# KiCad board Capstone_Project_Mainboard.kicad_pcb (continued)
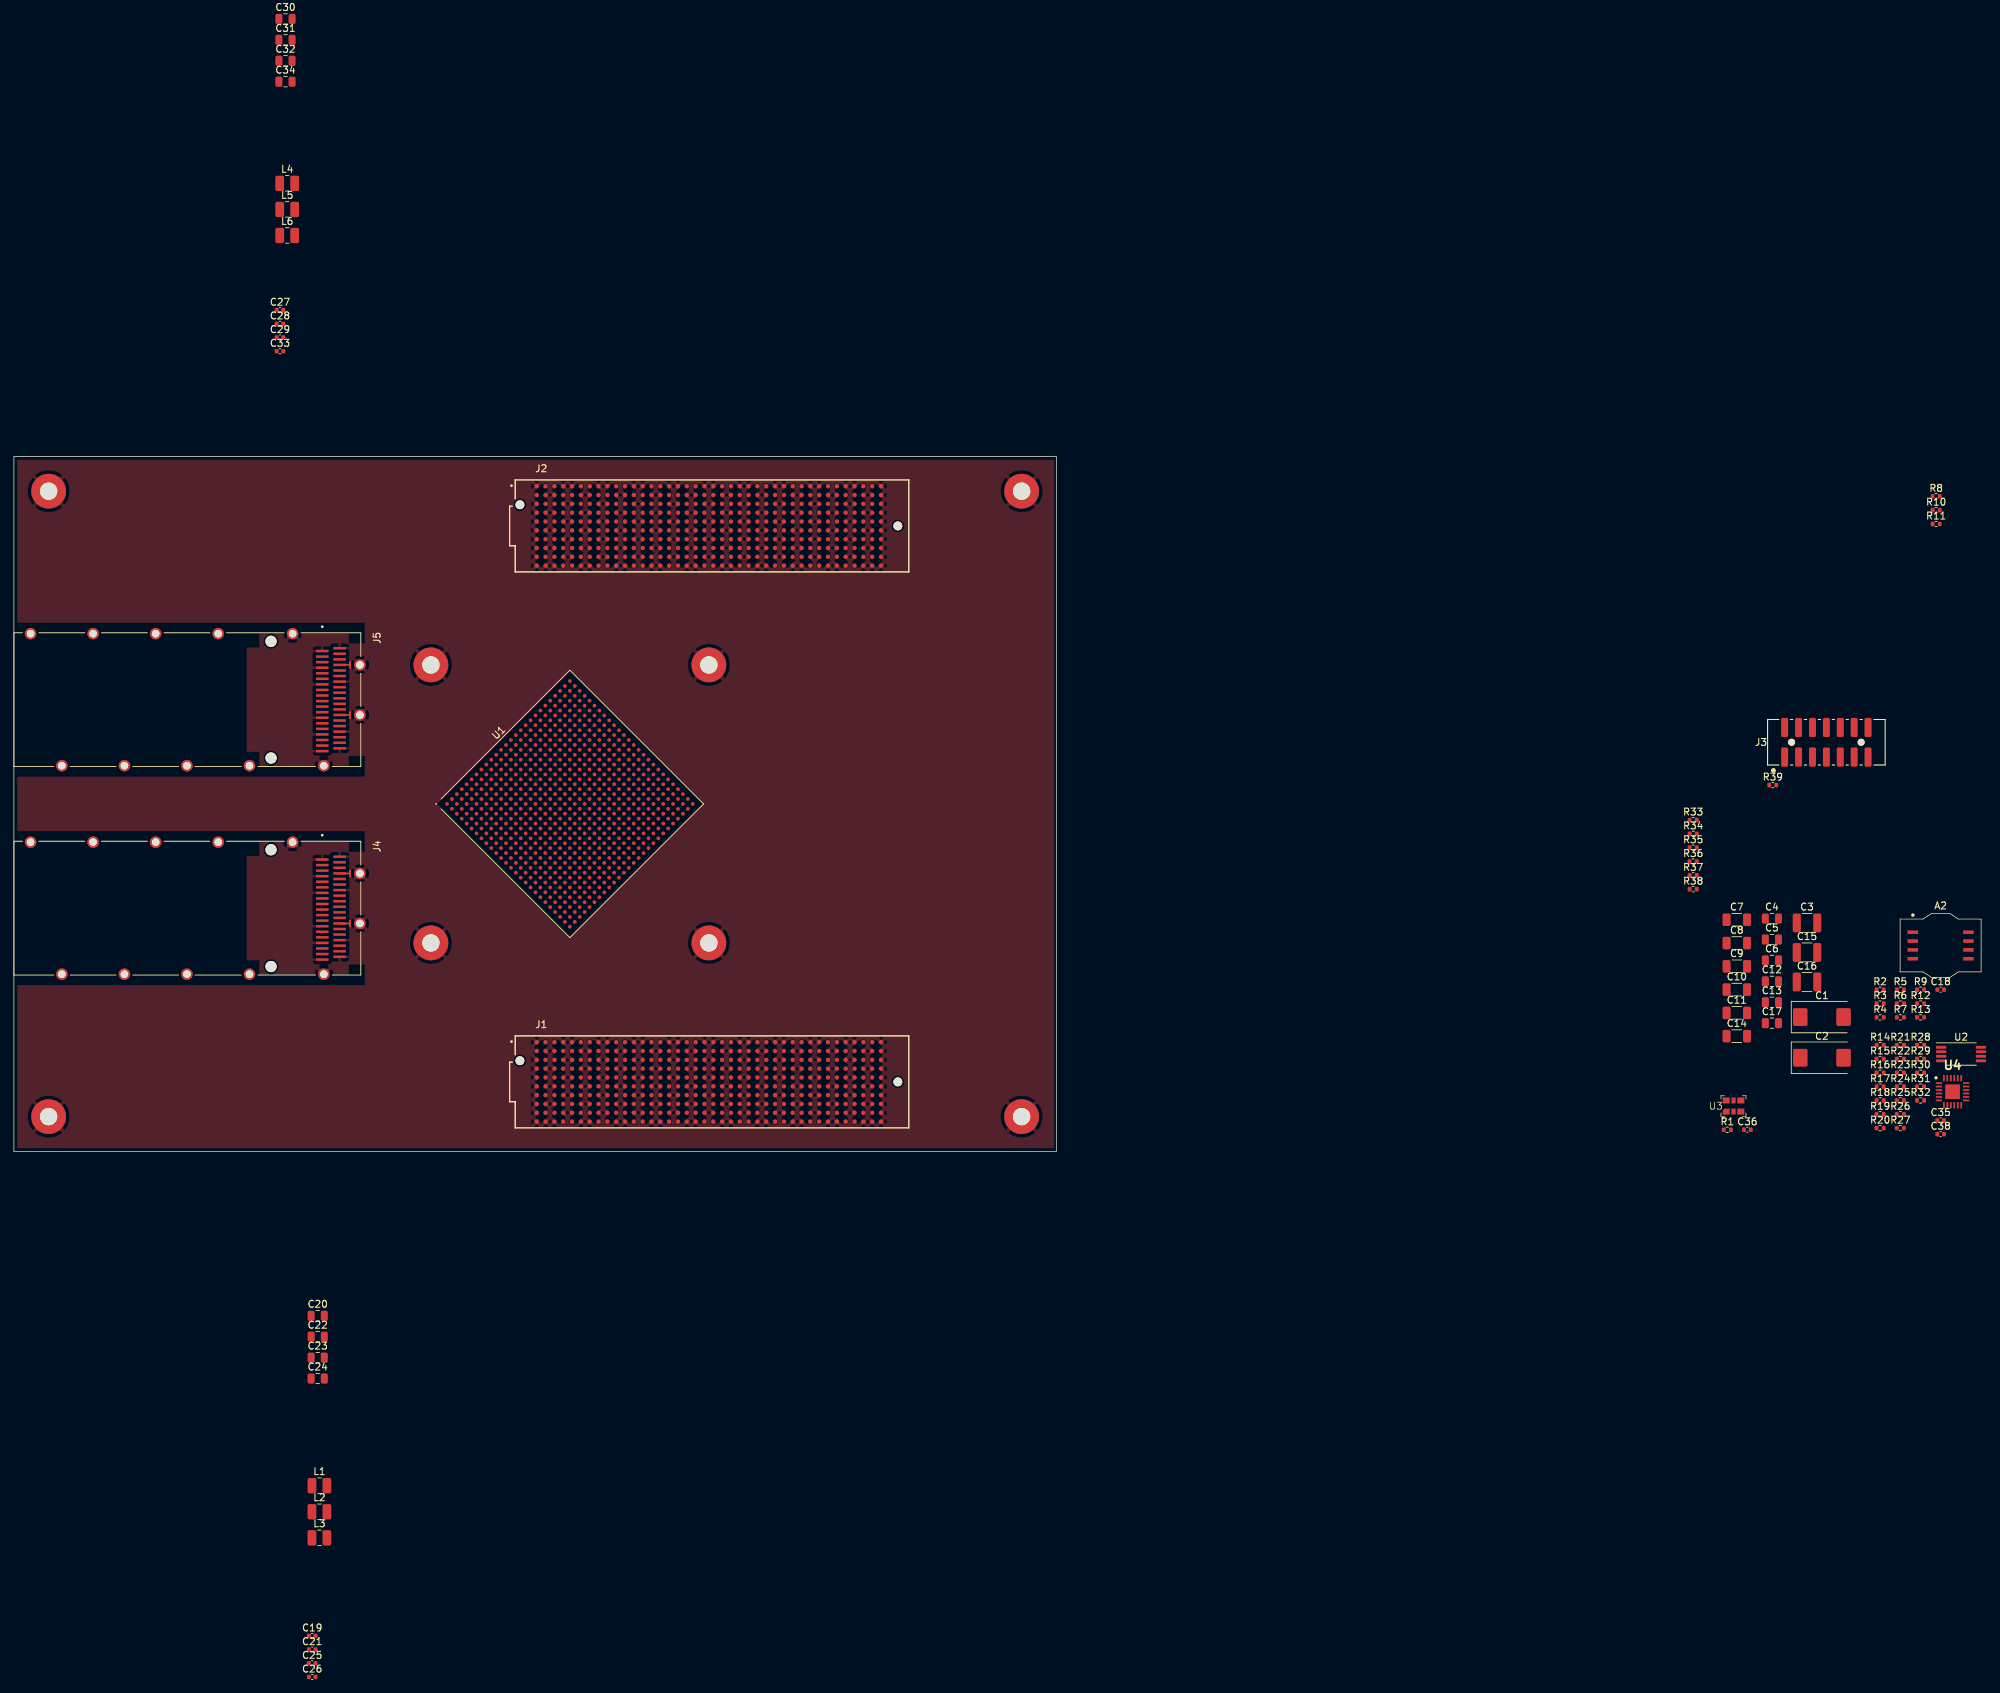
[diagram p0: board, top side]
## Footprints (pads in the part's own frame, mm; a bottom-side part is the same pattern mirrored in y, then rotated) (continued)
TSSOP-8_4.4x3mm_P0.65mm
  rrect 1.475x0.4 smd: 1(-2.862,0.975) 2(-2.862,0.325) 3(-2.862,-0.325) 4(-2.862,-0.975) 5(2.862,-0.975) 6(2.862,-0.325) 7(2.862,0.325) 8(2.862,0.975)
Xilinx_FFG676_K7_160T
  round 0.53 smd: A1(-12.5,12.5) A2(-11.5,12.5) A3(-10.5,12.5) A4(-9.5,12.5) A5(-8.5,12.5) A6(-7.5,12.5) A7(-6.5,12.5) A8(-5.5,12.5) A9(-4.5,12.5) A10(-3.5,12.5) A11(-2.5,12.5) A12(-1.5,12.5) A13(-0.5,12.5) A14(0.5,12.5) A15(1.5,12.5) A16(2.5,12.5) A17(3.5,12.5) A18(4.5,12.5) A19(5.5,12.5) A20(6.5,12.5) A21(7.5,12.5) A22(8.5,12.5) A23(9.5,12.5) A24(10.5,12.5) A25(11.5,12.5) A26(12.5,12.5) AA1(-12.5,-7.5) AA2(-11.5,-7.5) AA3(-10.5,-7.5) AA4(-9.5,-7.5) AA5(-8.5,-7.5) AA6(-7.5,-7.5) AA7(-6.5,-7.5) AA8(-5.5,-7.5) AA9(-4.5,-7.5) AA10(-3.5,-7.5) AA11(-2.5,-7.5) AA12(-1.5,-7.5) AA13(-0.5,-7.5) AA14(0.5,-7.5) AA15(1.5,-7.5) AA16(2.5,-7.5) AA17(3.5,-7.5) AA18(4.5,-7.5) AA19(5.5,-7.5) AA20(6.5,-7.5) AA21(7.5,-7.5) AA22(8.5,-7.5) AA23(9.5,-7.5) AA24(10.5,-7.5) AA25(11.5,-7.5) AA26(12.5,-7.5) AB1(-12.5,-8.5) AB2(-11.5,-8.5) AB3(-10.5,-8.5) AB4(-9.5,-8.5) AB5(-8.5,-8.5) AB6(-7.5,-8.5) AB7(-6.5,-8.5) AB8(-5.5,-8.5) AB9(-4.5,-8.5) AB10(-3.5,-8.5) AB11(-2.5,-8.5) AB12(-1.5,-8.5) AB13(-0.5,-8.5) AB14(0.5,-8.5) AB15(1.5,-8.5) AB16(2.5,-8.5) AB17(3.5,-8.5) AB18(4.5,-8.5) AB19(5.5,-8.5) AB20(6.5,-8.5) AB21(7.5,-8.5) AB22(8.5,-8.5) AB23(9.5,-8.5) AB24(10.5,-8.5) AB25(11.5,-8.5) AB26(12.5,-8.5) AC1(-12.5,-9.5) AC2(-11.5,-9.5) AC3(-10.5,-9.5) AC4(-9.5,-9.5) AC5(-8.5,-9.5) AC6(-7.5,-9.5) AC7(-6.5,-9.5) AC8(-5.5,-9.5) AC9(-4.5,-9.5) AC10(-3.5,-9.5) AC11(-2.5,-9.5) AC12(-1.5,-9.5) AC13(-0.5,-9.5) AC14(0.5,-9.5) AC15(1.5,-9.5) AC16(2.5,-9.5) AC17(3.5,-9.5) AC18(4.5,-9.5) AC19(5.5,-9.5) AC20(6.5,-9.5) AC21(7.5,-9.5) AC22(8.5,-9.5) AC23(9.5,-9.5) AC24(10.5,-9.5) AC25(11.5,-9.5) AC26(12.5,-9.5) AD1(-12.5,-10.5) AD2(-11.5,-10.5) AD3(-10.5,-10.5) AD4(-9.5,-10.5) AD5(-8.5,-10.5) AD6(-7.5,-10.5) AD7(-6.5,-10.5) AD8(-5.5,-10.5) AD9(-4.5,-10.5) AD10(-3.5,-10.5) AD11(-2.5,-10.5) AD12(-1.5,-10.5) AD13(-0.5,-10.5) AD14(0.5,-10.5) AD15(1.5,-10.5) AD16(2.5,-10.5) AD17(3.5,-10.5) AD18(4.5,-10.5) AD19(5.5,-10.5) AD20(6.5,-10.5) AD21(7.5,-10.5) AD22(8.5,-10.5) AD23(9.5,-10.5) AD24(10.5,-10.5) AD25(11.5,-10.5) AD26(12.5,-10.5) AE1(-12.5,-11.5) AE2(-11.5,-11.5) AE3(-10.5,-11.5) AE4(-9.5,-11.5) AE5(-8.5,-11.5) AE6(-7.5,-11.5) AE7(-6.5,-11.5) AE8(-5.5,-11.5) AE9(-4.5,-11.5) AE10(-3.5,-11.5) AE11(-2.5,-11.5) AE12(-1.5,-11.5) AE13(-0.5,-11.5) AE14(0.5,-11.5) AE15(1.5,-11.5) AE16(2.5,-11.5) AE17(3.5,-11.5) AE18(4.5,-11.5) AE19(5.5,-11.5) AE20(6.5,-11.5) AE21(7.5,-11.5) AE22(8.5,-11.5) AE23(9.5,-11.5) AE24(10.5,-11.5) AE25(11.5,-11.5) AE26(12.5,-11.5) AF1(-12.5,-12.5) AF2(-11.5,-12.5) AF3(-10.5,-12.5) AF4(-9.5,-12.5) AF5(-8.5,-12.5) AF6(-7.5,-12.5) AF7(-6.5,-12.5) AF8(-5.5,-12.5) AF9(-4.5,-12.5) AF10(-3.5,-12.5) AF11(-2.5,-12.5) AF12(-1.5,-12.5) AF13(-0.5,-12.5) AF14(0.5,-12.5) AF15(1.5,-12.5) AF16(2.5,-12.5) AF17(3.5,-12.5) AF18(4.5,-12.5) AF19(5.5,-12.5) AF20(6.5,-12.5) AF21(7.5,-12.5) AF22(8.5,-12.5) AF23(9.5,-12.5) AF24(10.5,-12.5) AF25(11.5,-12.5) AF26(12.5,-12.5) B1(-12.5,11.5) B2(-11.5,11.5) B3(-10.5,11.5) B4(-9.5,11.5) B5(-8.5,11.5) B6(-7.5,11.5) B7(-6.5,11.5) B8(-5.5,11.5) B9(-4.5,11.5) B10(-3.5,11.5) B11(-2.5,11.5) B12(-1.5,11.5) B13(-0.5,11.5) B14(0.5,11.5) B15(1.5,11.5) B16(2.5,11.5) B17(3.5,11.5) B18(4.5,11.5) B19(5.5,11.5) B20(6.5,11.5) B21(7.5,11.5) B22(8.5,11.5) B23(9.5,11.5) B24(10.5,11.5) B25(11.5,11.5) B26(12.5,11.5) C1(-12.5,10.5) C2(-11.5,10.5) C3(-10.5,10.5) C4(-9.5,10.5) C5(-8.5,10.5) C6(-7.5,10.5) C7(-6.5,10.5) C8(-5.5,10.5) C9(-4.5,10.5) C10(-3.5,10.5) C11(-2.5,10.5) C12(-1.5,10.5) C13(-0.5,10.5) C14(0.5,10.5) C15(1.5,10.5) C16(2.5,10.5) C17(3.5,10.5) C18(4.5,10.5) C19(5.5,10.5) C20(6.5,10.5) C21(7.5,10.5) C22(8.5,10.5) C23(9.5,10.5) C24(10.5,10.5) C25(11.5,10.5) C26(12.5,10.5) D1(-12.5,9.5) D2(-11.5,9.5) D3(-10.5,9.5) D4(-9.5,9.5) D5(-8.5,9.5) D6(-7.5,9.5) D7(-6.5,9.5) D8(-5.5,9.5) D9(-4.5,9.5) D10(-3.5,9.5) D11(-2.5,9.5) D12(-1.5,9.5) D13(-0.5,9.5) D14(0.5,9.5) D15(1.5,9.5) D16(2.5,9.5) D17(3.5,9.5) D18(4.5,9.5) D19(5.5,9.5) D20(6.5,9.5) D21(7.5,9.5) D22(8.5,9.5) D23(9.5,9.5) D24(10.5,9.5) D25(11.5,9.5) D26(12.5,9.5) E1(-12.5,8.5) E2(-11.5,8.5) E3(-10.5,8.5) E4(-9.5,8.5) E5(-8.5,8.5) E6(-7.5,8.5) E7(-6.5,8.5) E8(-5.5,8.5) E9(-4.5,8.5) E10(-3.5,8.5) E11(-2.5,8.5) E12(-1.5,8.5) E13(-0.5,8.5) E14(0.5,8.5) E15(1.5,8.5) E16(2.5,8.5) E17(3.5,8.5) E18(4.5,8.5) E19(5.5,8.5) E20(6.5,8.5) E21(7.5,8.5) E22(8.5,8.5) E23(9.5,8.5) E24(10.5,8.5) E25(11.5,8.5) E26(12.5,8.5) F1(-12.5,7.5) F2(-11.5,7.5) F3(-10.5,7.5) F4(-9.5,7.5) F5(-8.5,7.5) F6(-7.5,7.5) F7(-6.5,7.5) F8(-5.5,7.5) F9(-4.5,7.5) F10(-3.5,7.5) F11(-2.5,7.5) F12(-1.5,7.5) F13(-0.5,7.5) F14(0.5,7.5) F15(1.5,7.5) F16(2.5,7.5) F17(3.5,7.5) F18(4.5,7.5) F19(5.5,7.5) F20(6.5,7.5) F21(7.5,7.5) F22(8.5,7.5) F23(9.5,7.5) F24(10.5,7.5) F25(11.5,7.5) F26(12.5,7.5) G1(-12.5,6.5) G2(-11.5,6.5) G3(-10.5,6.5) G4(-9.5,6.5) G5(-8.5,6.5) G6(-7.5,6.5) G7(-6.5,6.5) G8(-5.5,6.5) G9(-4.5,6.5) G10(-3.5,6.5) G11(-2.5,6.5) G12(-1.5,6.5) G13(-0.5,6.5) G14(0.5,6.5) G15(1.5,6.5) G16(2.5,6.5) G17(3.5,6.5) G18(4.5,6.5) G19(5.5,6.5) G20(6.5,6.5) G21(7.5,6.5) G22(8.5,6.5) G23(9.5,6.5) G24(10.5,6.5) G25(11.5,6.5) G26(12.5,6.5) H1(-12.5,5.5) H2(-11.5,5.5) H3(-10.5,5.5) H4(-9.5,5.5) H5(-8.5,5.5) H6(-7.5,5.5) H7(-6.5,5.5) H8(-5.5,5.5) H9(-4.5,5.5) H10(-3.5,5.5) H11(-2.5,5.5) H12(-1.5,5.5) H13(-0.5,5.5) H14(0.5,5.5) H15(1.5,5.5) H16(2.5,5.5) H17(3.5,5.5) H18(4.5,5.5) H19(5.5,5.5) H20(6.5,5.5) H21(7.5,5.5) H22(8.5,5.5) H23(9.5,5.5) H24(10.5,5.5) H25(11.5,5.5) H26(12.5,5.5) J1(-12.5,4.5) J2(-11.5,4.5) J3(-10.5,4.5) J4(-9.5,4.5) J5(-8.5,4.5) J6(-7.5,4.5) J7(-6.5,4.5) J8(-5.5,4.5) J9(-4.5,4.5) J10(-3.5,4.5) J11(-2.5,4.5) J12(-1.5,4.5) J13(-0.5,4.5) J14(0.5,4.5) J15(1.5,4.5) J16(2.5,4.5) J17(3.5,4.5) J18(4.5,4.5) J19(5.5,4.5) J20(6.5,4.5) J21(7.5,4.5) J22(8.5,4.5) J23(9.5,4.5) J24(10.5,4.5) J25(11.5,4.5) J26(12.5,4.5) K1(-12.5,3.5) K2(-11.5,3.5) K3(-10.5,3.5) K4(-9.5,3.5) K5(-8.5,3.5) K6(-7.5,3.5) K7(-6.5,3.5) K8(-5.5,3.5) K9(-4.5,3.5) K10(-3.5,3.5) K11(-2.5,3.5) K12(-1.5,3.5) K13(-0.5,3.5) K14(0.5,3.5) K15(1.5,3.5) K16(2.5,3.5) K17(3.5,3.5) K18(4.5,3.5) K19(5.5,3.5) K20(6.5,3.5) K21(7.5,3.5) K22(8.5,3.5) K23(9.5,3.5) K24(10.5,3.5) K25(11.5,3.5) K26(12.5,3.5) L1(-12.5,2.5) L2(-11.5,2.5) L3(-10.5,2.5) L4(-9.5,2.5) L5(-8.5,2.5) L6(-7.5,2.5) L7(-6.5,2.5) L8(-5.5,2.5) L9(-4.5,2.5) L10(-3.5,2.5) L11(-2.5,2.5) L12(-1.5,2.5) L13(-0.5,2.5) L14(0.5,2.5) L15(1.5,2.5) L16(2.5,2.5) L17(3.5,2.5) L18(4.5,2.5) L19(5.5,2.5) L20(6.5,2.5) L21(7.5,2.5) L22(8.5,2.5) L23(9.5,2.5) L24(10.5,2.5) L25(11.5,2.5) L26(12.5,2.5) M1(-12.5,1.5) M2(-11.5,1.5) M3(-10.5,1.5) M4(-9.5,1.5) M5(-8.5,1.5) M6(-7.5,1.5) M7(-6.5,1.5) M8(-5.5,1.5) M9(-4.5,1.5) M10(-3.5,1.5) M11(-2.5,1.5) M12(-1.5,1.5) M13(-0.5,1.5) M14(0.5,1.5) M15(1.5,1.5) M16(2.5,1.5) M17(3.5,1.5) M18(4.5,1.5) M19(5.5,1.5) M20(6.5,1.5) M21(7.5,1.5) M22(8.5,1.5) M23(9.5,1.5) M24(10.5,1.5) M25(11.5,1.5) M26(12.5,1.5) N1(-12.5,0.5) N2(-11.5,0.5) N3(-10.5,0.5) N4(-9.5,0.5) N5(-8.5,0.5) N6(-7.5,0.5) N7(-6.5,0.5) N8(-5.5,0.5) N9(-4.5,0.5) N10(-3.5,0.5) N11(-2.5,0.5) N12(-1.5,0.5) N13(-0.5,0.5) N14(0.5,0.5) N15(1.5,0.5) N16(2.5,0.5) N17(3.5,0.5) N18(4.5,0.5) N19(5.5,0.5) N20(6.5,0.5) N21(7.5,0.5) N22(8.5,0.5) N23(9.5,0.5) N24(10.5,0.5) N25(11.5,0.5) N26(12.5,0.5) P1(-12.5,-0.5) P2(-11.5,-0.5) P3(-10.5,-0.5) P4(-9.5,-0.5) P5(-8.5,-0.5) P6(-7.5,-0.5) P7(-6.5,-0.5) P8(-5.5,-0.5) P9(-4.5,-0.5) P10(-3.5,-0.5) P11(-2.5,-0.5) P12(-1.5,-0.5) P13(-0.5,-0.5) P14(0.5,-0.5) P15(1.5,-0.5) P16(2.5,-0.5) P17(3.5,-0.5) P18(4.5,-0.5) P19(5.5,-0.5) P20(6.5,-0.5) P21(7.5,-0.5) P22(8.5,-0.5) P23(9.5,-0.5) P24(10.5,-0.5) P25(11.5,-0.5) P26(12.5,-0.5) R1(-12.5,-1.5) R2(-11.5,-1.5) R3(-10.5,-1.5) R4(-9.5,-1.5) R5(-8.5,-1.5) R6(-7.5,-1.5) R7(-6.5,-1.5) R8(-5.5,-1.5) R9(-4.5,-1.5) R10(-3.5,-1.5) R11(-2.5,-1.5) R12(-1.5,-1.5) R13(-0.5,-1.5) R14(0.5,-1.5) R15(1.5,-1.5) R16(2.5,-1.5) R17(3.5,-1.5) R18(4.5,-1.5) R19(5.5,-1.5) R20(6.5,-1.5) R21(7.5,-1.5) R22(8.5,-1.5) R23(9.5,-1.5) R24(10.5,-1.5) R25(11.5,-1.5) R26(12.5,-1.5) T1(-12.5,-2.5) T2(-11.5,-2.5) T3(-10.5,-2.5) T4(-9.5,-2.5) T5(-8.5,-2.5) T6(-7.5,-2.5) T7(-6.5,-2.5) T8(-5.5,-2.5) T9(-4.5,-2.5) T10(-3.5,-2.5) T11(-2.5,-2.5) T12(-1.5,-2.5) T13(-0.5,-2.5) T14(0.5,-2.5) T15(1.5,-2.5) T16(2.5,-2.5) T17(3.5,-2.5) T18(4.5,-2.5) T19(5.5,-2.5) T20(6.5,-2.5) T21(7.5,-2.5) T22(8.5,-2.5) T23(9.5,-2.5) T24(10.5,-2.5) T25(11.5,-2.5) T26(12.5,-2.5) U1(-12.5,-3.5) U2(-11.5,-3.5) U3(-10.5,-3.5) U4(-9.5,-3.5) U5(-8.5,-3.5) U6(-7.5,-3.5) U7(-6.5,-3.5) U8(-5.5,-3.5) U9(-4.5,-3.5) U10(-3.5,-3.5) U11(-2.5,-3.5) U12(-1.5,-3.5) U13(-0.5,-3.5) U14(0.5,-3.5) U15(1.5,-3.5) U16(2.5,-3.5) U17(3.5,-3.5) U18(4.5,-3.5) U19(5.5,-3.5) U20(6.5,-3.5) U21(7.5,-3.5) U22(8.5,-3.5) U23(9.5,-3.5) U24(10.5,-3.5) U25(11.5,-3.5) U26(12.5,-3.5) V1(-12.5,-4.5) V2(-11.5,-4.5) V3(-10.5,-4.5) V4(-9.5,-4.5) V5(-8.5,-4.5) V6(-7.5,-4.5) V7(-6.5,-4.5) V8(-5.5,-4.5) V9(-4.5,-4.5) V10(-3.5,-4.5) V11(-2.5,-4.5) V12(-1.5,-4.5) V13(-0.5,-4.5) V14(0.5,-4.5) V15(1.5,-4.5) V16(2.5,-4.5) V17(3.5,-4.5) V18(4.5,-4.5) V19(5.5,-4.5) V20(6.5,-4.5) V21(7.5,-4.5) V22(8.5,-4.5) V23(9.5,-4.5) V24(10.5,-4.5) V25(11.5,-4.5) V26(12.5,-4.5) W1(-12.5,-5.5) W2(-11.5,-5.5) W3(-10.5,-5.5) W4(-9.5,-5.5) W5(-8.5,-5.5) W6(-7.5,-5.5) W7(-6.5,-5.5) W8(-5.5,-5.5) W9(-4.5,-5.5) W10(-3.5,-5.5) W11(-2.5,-5.5) W12(-1.5,-5.5) W13(-0.5,-5.5) W14(0.5,-5.5) W15(1.5,-5.5) W16(2.5,-5.5) W17(3.5,-5.5) W18(4.5,-5.5) W19(5.5,-5.5) W20(6.5,-5.5) W21(7.5,-5.5) W22(8.5,-5.5) W23(9.5,-5.5) W24(10.5,-5.5) W25(11.5,-5.5) W26(12.5,-5.5) Y1(-12.5,-6.5) Y2(-11.5,-6.5) Y3(-10.5,-6.5) Y4(-9.5,-6.5) Y5(-8.5,-6.5) Y6(-7.5,-6.5) Y7(-6.5,-6.5) Y8(-5.5,-6.5) Y9(-4.5,-6.5) Y10(-3.5,-6.5) Y11(-2.5,-6.5) Y12(-1.5,-6.5) Y13(-0.5,-6.5) Y14(0.5,-6.5) Y15(1.5,-6.5) Y16(2.5,-6.5) Y17(3.5,-6.5) Y18(4.5,-6.5) Y19(5.5,-6.5) Y20(6.5,-6.5) Y21(7.5,-6.5) Y22(8.5,-6.5) Y23(9.5,-6.5) Y24(10.5,-6.5) Y25(11.5,-6.5) Y26(12.5,-6.5)

## Nets
1V0: C1.1 C2.1 C3.1 C4.1 C5.1 C6.1 C12.1 U1.C6 U1.E6 U1.G6 U1.J6 U1.J9 U1.K8 U1.K10 U1.K12 U1.K14 U1.L6 U1.L9 U1.L13 U1.L15 U1.M8 U1.M14 U1.N9 U1.N13 U1.N15 U1.P14 U1.R13 U1.R15 U1.T12 U1.T14 U1.U13 U1.U15
1V2: C13.1 R1.2 U1.B3 U1.C2 U1.D3 U1.G2 U1.H3 U1.L2 U1.M3 U1.M5
1V8: C7.1 C8.1 C10.1 C14.1 C15.1 C16.1 C17.1 J1.K28 J1.K29 J1.K32 J1.K33 J1.K36 J1.K37 J2.K28 J2.K29 J2.K32 J2.K33 J2.K36 J2.K37 U1.A11 U1.AA1 U1.AA11 U1.AA21 U1.AB8 U1.AB18 U1.AC5 U1.AC15 U1.AC25 U1.AD2 U1.AD12 U1.AD22 U1.AE9 U1.AE19 U1.AF6 U1.AF16 U1.AF26 U1.B8 U1.B18 U1.C15 U1.D12 U1.E9 U1.E19 U1.F16 U1.G13 U1.H10 U1.H20 U1.J17 U1.K24 U1.L11 U1.M10 U1.M12 U1.M18 U1.N6 U1.N25 U1.P8 U1.P10 U1.P22 U1.R9 U1.R19 U1.T8 U1.T10 U1.T16 U1.T26 U1.U3 U1.U11 U1.U23 U1.V10 U1.V20 U1.W7 U1.W17 U1.Y4 U1.Y14 U1.Y24
1V25REF: U1.P12
3V3: A2.8 C9.1 C11.1 C18.1 C20.1 C21.1 C33.1 C34.1 C35.1 C36.1 C38.1 J1.K4 J1.K5 J1.K8 J1.K9 J1.K12 J1.K13 J1.K16 J1.K17 J1.K20 J1.K21 J1.K24 J1.K25 J2.K4 J2.K5 J2.K8 J2.K9 J2.K12 J2.K13 J2.K16 J2.K17 J2.K20 J2.K21 J2.K24 J2.K25 J3.2 L1.2 L2.2 L3.2 L4.2 L5.2 L6.2 R6.1 R7.1 R8.1 R9.1 R10.1 R11.1 R12.1 R13.1 R14.1 R15.1 R16.1 R17.1 R18.1 R19.1 R20.1 R21.1 R22.1 R23.1 R24.1 R25.1 R26.1 R27.1 R28.1 R29.1 R30.1 R31.1 R32.1 R33.1 R34.1 R35.1 R36.1 R37.1 R38.1 U1.A21 U1.C25 U1.D22 U1.F26 U1.G23 U1.L7 U1.L21 U1.P7 U1.T5 U1.T6 U2.3 U2.8 U3.1 U3.6 U4.21
3V3AUX: J1.A11 J2.A11
/QSFP+/Vcc1_A: C22.1 C25.1 J4.30 L1.1
/QSFP+/Vcc1_B: C28.1 C31.1 J5.30 L5.1
/QSFP+/VccRx_A: C19.1 C24.1 J4.10 L3.1
/QSFP+/VccRx_B: C29.1 C32.1 J5.10 L6.1
/QSFP+/VccTx_A: C23.1 C26.1 J4.29 L2.1
/QSFP+/VccTx_B: C27.1 C30.1 J5.29 L4.1
GND: A2.4 C1.2 C2.2 C3.2 C4.2 C5.2 C6.2 C7.2 C8.2 C9.2 C10.2 C11.2 C12.2 C13.2 C14.2 C15.2 C16.2 C17.2 C18.2 C19.2 C20.2 C21.2 C22.2 C23.2 C24.2 C25.2 C26.2 C27.2 C28.2 C29.2 C30.2 C31.2 C32.2 C33.2 C34.2 C35.2 C36.2 C38.2 H1.1 H2.1 H3.1 H4.1 H5.1 H6.1 H7.1 H8.1 J1.A1 J1.A4 J1.A5 J1.A8 J1.A9 J1.A12 J1.A13 J1.A16 J1.A17 J1.A20 J1.A21 J1.A24 J1.A25 J1.A28 J1.A29 J1.A32 J1.A33 J1.A36 J1.A37 J1.A40 J1.B2 J1.B3 J1.B6 J1.B7 J1.B10 J1.B11 J1.B14 J1.B15 J1.B18 J1.B19 J1.B22 J1.B23 J1.B26 J1.B27 J1.B30 J1.B31 J1.B34 J1.B35 J1.B38 J1.B39 J1.B40 J1.C1 J1.C4 J1.C5 J1.C8 J1.C9 J1.C12 J1.C13 J1.C16 J1.C17 J1.C20 J1.C21 J1.C24 J1.C25 J1.C28 J1.C29 J1.C32 J1.C33 J1.C36 J1.C37 J1.C40 J1.D1 J1.D2 J1.D3 J1.D6 J1.D7 J1.D10 J1.D11 J1.D14 J1.D15 J1.D18 J1.D19 J1.D22 J1.D23 J1.D26 J1.D27 J1.D30 J1.D31 J1.D34 J1.D35 J1.D38 J1.D39 J1.D40 J1.E1 J1.E4 J1.E5 J1.E8 J1.E9 J1.E12 J1.E13 J1.E16 J1.E17 J1.E20 J1.E21 J1.E24 J1.E25 J1.E28 J1.E29 J1.E32 J1.E33 J1.E36 J1.E37 J1.E40 J1.F1 J1.F2 J1.F3 J1.F6 J1.F7 J1.F10 J1.F11 J1.F14 J1.F15 J1.F18 J1.F19 J1.F22 J1.F23 J1.F26 J1.F27 J1.F30 J1.F31 J1.F34 J1.F35 J1.F38 J1.F39 J1.F40 J1.G1 J1.G4 J1.G5 J1.G8 J1.G9 J1.G12 J1.G13 J1.G16 J1.G17 J1.G20 J1.G21 J1.G24 J1.G25 J1.G28 J1.G29 J1.G32 J1.G33 J1.G36 J1.G37 J1.G40 J1.H1 J1.H2 J1.H3 J1.H6 J1.H7 J1.H10 J1.H11 J1.H14 J1.H15 J1.H18 J1.H19 J1.H22 J1.H23 J1.H26 J1.H27 J1.H30 J1.H31 J1.H34 J1.H35 J1.H38 J1.H39 J1.H40 J1.J1 J1.J4 J1.J5 J1.J8 J1.J9 J1.J12 J1.J13 J1.J16 J1.J17 J1.J20 J1.J21 J1.J24 J1.J25 J1.J28 J1.J29 J1.J32 J1.J33 J1.J36 J1.J37 J1.J40 J1.K1 J1.K2 J1.K3 J1.K6 J1.K7 J1.K10 J1.K11 J1.K14 J1.K15 J1.K18 J1.K19 J1.K22 J1.K23 J1.K26 J1.K27 J1.K30 J1.K31 J1.K34 J1.K35 J1.K38 J1.K39 J1.K40 J2.A1 J2.A4 J2.A5 J2.A8 J2.A9 J2.A12 J2.A13 J2.A16 J2.A17 J2.A20 J2.A21 J2.A24 J2.A25 J2.A28 J2.A29 J2.A32 J2.A33 J2.A36 J2.A37 J2.A40 J2.B2 J2.B3 J2.B6 J2.B7 J2.B10 J2.B11 J2.B14 J2.B15 J2.B18 J2.B19 J2.B22 J2.B23 J2.B26 J2.B27 J2.B30 J2.B31 J2.B34 J2.B35 J2.B38 J2.B39 J2.B40 J2.C1 J2.C4 J2.C5 J2.C8 J2.C9 J2.C12 J2.C13 J2.C16 J2.C17 J2.C20 J2.C21 J2.C24 J2.C25 J2.C28 J2.C29 J2.C32 J2.C33 J2.C36 J2.C37 J2.C40 J2.D1 J2.D2 J2.D3 J2.D6 J2.D7 J2.D10 J2.D11 J2.D14 J2.D15 J2.D18 J2.D19 J2.D22 J2.D23 J2.D26 J2.D27 J2.D30 J2.D31 J2.D34 J2.D35 J2.D38 J2.D39 J2.D40 J2.E1 J2.E4 J2.E5 J2.E8 J2.E9 J2.E12 J2.E13 J2.E16 J2.E17 J2.E20 J2.E21 J2.E24 J2.E25 J2.E28 J2.E29 J2.E32 J2.E33 J2.E36 J2.E37 J2.E40 J2.F1 J2.F2 J2.F3 J2.F6 J2.F7 J2.F10 J2.F11 J2.F14 J2.F15 J2.F18 J2.F19 J2.F22 J2.F23 J2.F26 J2.F27 J2.F30 J2.F31 J2.F34 J2.F35 J2.F38 J2.F39 J2.F40 J2.G1 J2.G4 J2.G5 J2.G8 J2.G9 J2.G12 J2.G13 J2.G16 J2.G17 J2.G20 J2.G21 J2.G24 J2.G25 J2.G28 J2.G29 J2.G32 J2.G33 J2.G36 J2.G37 J2.G40 J2.H1 J2.H2 J2.H3 J2.H6 J2.H7 J2.H10 J2.H11 J2.H14 J2.H15 J2.H18 J2.H19 J2.H22 J2.H23 J2.H26 J2.H27 J2.H30 J2.H31 J2.H34 J2.H35 J2.H38 J2.H39 J2.H40 J2.J1 J2.J4 J2.J5 J2.J8 J2.J9 J2.J12 J2.J13 J2.J16 J2.J17 J2.J20 J2.J21 J2.J24 J2.J25 J2.J28 J2.J29 J2.J32 J2.J33 J2.J36 J2.J37 J2.J40 J2.K1 J2.K2 J2.K3 J2.K6 J2.K7 J2.K10 J2.K11 J2.K14 J2.K15 J2.K18 J2.K19 J2.K22 J2.K23 J2.K26 J2.K27 J2.K30 J2.K31 J2.K34 J2.K35 J2.K38 J2.K39 J2.K40 J3.1 J3.3 J3.5 J3.7 J3.9 J3.11 J3.13 J4.1 J4.4 J4.7 J4.13 J4.16 J4.19 J4.20 J4.23 J4.26 J4.32 J4.35 J4.38 J4.G1 J4.G2 J4.G3 J4.G4 J4.G5 J4.G6 J4.G7 J4.G8 J4.G9 J4.G10 J4.G11 J4.G12 J5.1 J5.4 J5.7 J5.13 J5.16 J5.19 J5.20 J5.23 J5.26 J5.32 J5.35 J5.38 J5.G1 J5.G2 J5.G3 J5.G4 J5.G5 J5.G6 J5.G7 J5.G8 J5.G9 J5.G10 J5.G11 J5.G12 R39.2 U1.A1 U1.A2 U1.A5 U1.A6 U1.A7 U1.A16 U1.A26 U1.AA6 U1.AA16 U1.AA26 U1.AB3 U1.AB13 U1.AB23 U1.AC10 U1.AC20 U1.AD7 U1.AD17 U1.AE4 U1.AE14 U1.AE24 U1.AF1 U1.AF11 U1.AF21 U1.B4 U1.B7 U1.B13 U1.B23 U1.C1 U1.C5 U1.C7 U1.C10 U1.C20 U1.D4 U1.D7 U1.D17 U1.E1 U1.E2 U1.E5 U1.E7 U1.E8 U1.E14 U1.E24 U1.F3 U1.F4 U1.F7 U1.F11 U1.F21 U1.G1 U1.G5 U1.G8 U1.G18 U1.H4 U1.H7 U1.H15 U1.H25 U1.J1 U1.J2 U1.J5 U1.J12 U1.J22 U1.K3 U1.K4 U1.K7 U1.K9 U1.K11 U1.K13 U1.K19 U1.L1 U1.L5 U1.L10 U1.L12 U1.L14 U1.L16 U1.L26 U1.M4 U1.M7 U1.M9 U1.M11 U1.M13 U1.M15 U1.M23 U1.N1 U1.N2 U1.N5 U1.N7 U1.N10 U1.N11 U1.N14 U1.N20 U1.P3 U1.P4 U1.P5 U1.P9 U1.P13 U1.P15 U1.P17 U1.R1 U1.R2 U1.R5 U1.R8 U1.R10 U1.R14 U1.R24 U1.T1 U1.T2 U1.T3 U1.T4 U1.T9 U1.T11 U1.T13 U1.T15 U1.T21 U1.U8 U1.U10 U1.U12 U1.U14 U1.U18 U1.V5 U1.V15 U1.V25 U1.W2 U1.W12 U1.W22 U1.Y9 U1.Y19 U2.4 U2.7 U3.3 U4.9 U4.18 U4.22 U4.23 U4.25
/FPGA/FPGA Banks 115, 116/FPGA_GTX_CLK_N: U1.H5 U3.5
/FPGA/FPGA Banks 115, 116/FPGA_GTX_CLK_P: U1.H6 U3.4
/I2C EEPROM & Switch/EEPROM_I2C_SCL: R26.2 U2.6 U4.11
/I2C EEPROM & Switch/EEPROM_I2C_SDA: R25.2 U2.5 U4.10
B13_GP00: U1.N16
B13_GP25: U1.U16
B13_L01_N: J2.J3 U1.K26
B13_L01_P: J2.J2 U1.K25
B13_L02_N: J2.J7 U1.P26
B13_L02_P: J2.J6 U1.R26
B13_L03_N: J2.J11 U1.L25
B13_L03_P: J2.J10 U1.M25
B13_L04_N: J2.J15 U1.N24
B13_L04_P: J2.J14 U1.P24
B13_L05_N: J2.J19 U1.M26
B13_L05_P: J2.J18 U1.N26
B13_L06_N: J2.J23 U1.P25
B13_L06_P: J2.J22 U1.R25
B13_L07_N: J2.J27 U1.M20
B13_L07_P: J2.J26 U1.N19
B13_L08_N: J2.J31 U1.L24
B13_L08_P: J2.J30 U1.M24
B13_L09_N: J2.J35 U1.P20
B13_L09_P: J2.J34 U1.P19
B13_L10_N: J2.J39 U1.M22
B13_L10_P: J2.J38 U1.M21
B13_L11_N: J2.H5 U1.N23
B13_L11_P: J2.H4 U1.P23
B13_L12_N: J2.H9 U1.N22
B13_L12_P: J2.H8 U1.N21
B13_L13_N: J2.H13 U1.P21
B13_L13_P: J2.H12 U1.R21
B13_L14_N: J2.H17 U1.R23
B13_L14_P: J2.H16 U1.R22
B13_L15_N: J2.H21 U1.T25
B13_L15_P: J2.H20 U1.T24
B13_L16_N: J2.H25 U1.R20
B13_L16_P: J2.H24 U1.T20
B13_L17_N: J2.H29 U1.T23
B13_L17_P: J2.H28 U1.T22
B13_L18_N: J2.H33 U1.U20
B13_L18_P: J2.H32 U1.U19
B13_L19_N: J2.H37 U1.T19
B13_L19_P: J2.H36 U1.T18
B13_L20_N: J2.G3 U1.N17
B13_L20_P: J2.G2 U1.P16
B13_L21_N: J2.G7 U1.R17
B13_L21_P: J2.G6 U1.R16
B13_L22_N: J2.G11 U1.M19
B13_L22_P: J2.G10 U1.N18
B13_L23_N: J2.G15 U1.T17
B13_L23_P: J2.G14 U1.U17
B13_L24_N: J2.G19 U1.P18
B13_L24_P: J2.G18 U1.R18
B15_GP00: U1.K15
B15_GP25: U1.M16
B15_L01_N: J2.G23 U1.B16
B15_L01_P: J2.G22 U1.C16
B15_L02_N: J2.G27 U1.A19
B15_L02_P: J2.G26 U1.A18
B15_L03_N: J2.G31 U1.A17
B15_L03_P: J2.G30 U1.B17
B15_L04_N: J2.G35 U1.B19
B15_L04_P: J2.G34 U1.C19
B15_L05_N: J2.G39 U1.C18
B15_L05_P: J2.G38 U1.C17
B15_L06_N: J2.F5 U1.D16
B15_L06_P: J2.F4 U1.D15
B15_L07_N: J2.F9 U1.G16
B15_L07_P: J2.F8 U1.H16
B15_L08_N: J2.F13 U1.F15
B15_L08_P: J2.F12 U1.G15
B15_L09_N: J2.F17 U1.J16
B15_L09_P: J2.F16 U1.J15
B15_L10_N: J2.F21 U1.E16
B15_L10_P: J2.F20 U1.E15
B15_L11_N: J2.F25 U1.F18
B15_L11_P: J2.F24 U1.G17
B15_L12_N: J2.F29 U1.E17
B15_L12_P: J2.F28 U1.F17
B15_L13_N: J2.F33 U1.D18
B15_L13_P: J2.F32 U1.E18
B15_L14_N: J2.F37 U1.H18
B15_L14_P: J2.F36 U1.H17
B15_L15_N: J2.E3 U1.D20
B15_L15_P: J2.E2 U1.D19
B15_L16_N: J2.E7 U1.F20
B15_L16_P: J2.E6 U1.G19
B15_L17_N: J2.E11 U1.E20
B15_L17_P: J2.E10 U1.F19
B15_L18_N: J2.E15 U1.G20
B15_L18_P: J2.E14 U1.H19
B15_L19_N: J2.E19 U1.J20
B15_L19_P: J2.E18 U1.K20
B15_L20_N: J2.E23 U1.J19
B15_L20_P: J2.E22 U1.J18
B15_L21_N: J2.E27 U1.L20
B15_L21_P: J2.E26 U1.L19
B15_L22_N: J2.E31 U1.K17
B15_L22_P: J2.E30 U1.K16
B15_L23_N: J2.E35 U1.L18
B15_L23_P: J2.E34 U1.M17
B15_L24_N: J2.E39 U1.K18
B15_L24_P: J2.E38 U1.L17
B16_GP00: U1.J8
B16_GP25: U1.J14
B16_L01_N: J2.D5 U1.H8
B16_L01_P: J2.D4 U1.H9
B16_L02_N: J2.D9 U1.G9
B16_L02_P: J2.D8 U1.G10
B16_L03_N: J2.D13 U1.H13
B16_L03_P: J2.D12 U1.J13
B16_L04_N: J2.D17 U1.J10
B16_L04_P: J2.D16 U1.J11
B16_L05_N: J2.D21 U1.G14
B16_L05_P: J2.D20 U1.H14
B16_L06_N: J2.D25 U1.H11
B16_L06_P: J2.D24 U1.H12
B16_L07_N: J2.D29 U1.F8
B16_L07_P: J2.D28 U1.F9
B16_L08_N: J2.D33 U1.D8
B16_L08_P: J2.D32 U1.D9
B16_L09_N: J2.D37 U1.A8
B16_L09_P: J2.D36 U1.A9
B16_L10_N: J2.C3 U1.B9
B16_L10_P: J2.C2 U1.C9
B16_L11_N: J2.C7 U1.F10
B16_L11_P: J2.C6 U1.G11
B16_L12_N: J2.C11 U1.D10
B16_L12_P: J2.C10 U1.E10
B16_L13_N: J2.C15 U1.C11
B16_L13_P: J2.C14 U1.C12
B16_L14_N: J2.C19 U1.D11
B16_L14_P: J2.C18 U1.E11
B16_L15_N: J2.C23 U1.F13
B16_L15_P: J2.C22 U1.F14
B16_L16_N: J2.C27 U1.F12
B16_L16_P: J2.C26 U1.G12
B16_L17_N: J2.C31 U1.D13
B16_L17_P: J2.C30 U1.D14
B16_L18_N: J2.C35 U1.E12
B16_L18_P: J2.C34 U1.E13
B16_L19_N: J2.C39 U1.C13
B16_L19_P: J2.C38 U1.C14
B16_L20_N: J2.B5 U1.B11
B16_L20_P: J2.B4 U1.B12
B16_L21_N: J2.B9 U1.A14
B16_L21_P: J2.B8 U1.B14
B16_L22_N: J2.B13 U1.A10
B16_L22_P: J2.B12 U1.B10
B16_L23_N: J2.B17 U1.A15
B16_L23_P: J2.B16 U1.B15
B16_L24_N: J2.B21 U1.A12
B16_L24_P: J2.B20 U1.A13
B32_GP00: U1.V13
B32_GP25: U1.W13
B32_L01_N: U1.AF17
B32_L01_P: U1.AE17
B32_L02_N: U1.AF15
B32_L02_P: U1.AF14
B32_L03_N: U1.AF18
B32_L03_P: U1.AE18
B32_L04_N: U1.AE15
B32_L04_P: U1.AD15
B32_L05_N: U1.AF20
B32_L05_P: U1.AF19
B32_L06_N: U1.AE16
B32_L06_P: U1.AD16
B32_L07_N: U1.AA15
B32_L07_P: U1.AA14
B32_L08_N: U1.AD14
B32_L08_P: U1.AC14
B32_L09_N: U1.Y16
B32_L09_P: U1.Y15
B32_L10_N: U1.AB15
B32_L10_P: U1.AB14
B32_L11_N: U1.AA18
B32_L11_P: U1.AA17
B32_L12_N: U1.AC16
B32_L12_P: U1.AB16
B32_L13_N: U1.AD18
B32_L13_P: U1.AC18
B32_L14_N: U1.AC17
B32_L14_P: U1.AB17
B32_L15_N: U1.AE20
B32_L15_P: U1.AD20
B32_L16_N: U1.AA20
B32_L16_P: U1.AA19
B32_L17_N: U1.AD19
B32_L17_P: U1.AC19
B32_L18_N: U1.AB20
B32_L18_P: U1.AB19
B32_L19_N: U1.Y18
B32_L19_P: U1.Y17
B32_L20_N: U1.V17
B32_L20_P: U1.V16
B32_L21_N: U1.W19
B32_L21_P: U1.W18
B32_L22_N: U1.W16
B32_L22_P: U1.W15
B32_L23_N: U1.V19
B32_L23_P: U1.V18
B32_L24_N: U1.W14
B32_L24_P: U1.V14
B33_GP00: U1.U9
B33_GP25: U1.V12
B33_L01_N: U1.W11
B33_L01_P: U1.V11
B33_L02_N: U1.V7
B33_L02_P: U1.V8
B33_L03_N: U1.W9
B33_L03_P: U1.W10
B33_L04_N: U1.Y7
B33_L04_P: U1.Y8
B33_L05_N: U1.Y10
B33_L05_P: U1.Y11
B33_L06_N: U1.W8
B33_L06_P: U1.V9
B33_L07_N: U1.AF7
B33_L07_P: U1.AE7
B33_L08_N: U1.AA7
B33_L08_P: U1.AA8
B33_L09_N: U1.AD8
B33_L09_P: U1.AC8
B33_L10_N: U1.AC7
B33_L10_P: U1.AB7
B33_L11_N: U1.AB9
B33_L11_P: U1.AA9
B33_L12_N: U1.AD9
B33_L12_P: U1.AC9
B33_L13_N: U1.AC11
B33_L13_P: U1.AB11
B33_L14_N: U1.AB10
B33_L14_P: U1.AA10
B33_L15_N: U1.AC12
B33_L15_P: U1.AB12
B33_L16_N: U1.AA12
B33_L16_P: U1.AA13
B33_L17_N: U1.AD13
B33_L17_P: U1.AC13
B33_L18_N: U1.Y12
B33_L18_P: U1.Y13
B33_L19_N: U1.AE11
B33_L19_P: U1.AD11
B33_L20_N: U1.AE10
B33_L20_P: U1.AD10
B33_L21_N: U1.AF12
B33_L21_P: U1.AE12
B33_L22_N: U1.AF8
B33_L22_P: U1.AE8
B33_L23_N: U1.AF13
B33_L23_P: U1.AE13
B33_L24_N: U1.AF9
B33_L24_P: U1.AF10
B34_GP00: U1.U4
B34_GP25: U1.T7
B34_L01_N: U1.U5
B34_L01_P: U1.U6
B34_L02_N: U1.U1
B34_L02_P: U1.U2
B34_L03_N: U1.W5
B34_L03_P: U1.W6
B34_L04_N: U1.W3
B34_L04_P: U1.V3
B34_L05_N: U1.V6
B34_L05_P: U1.U7
B34_L06_N: U1.W4
B34_L06_P: U1.V4
B34_L07_N: U1.Y2
B34_L07_P: U1.Y3
B34_L08_N: U1.V1
B34_L08_P: U1.V2
B34_L09_N: U1.AC1
B34_L09_P: U1.AB1
B34_L10_N: U1.Y1
B34_L10_P: U1.W1
B34_L11_N: U1.AC2
B34_L11_P: U1.AB2
B34_L12_N: U1.AA2
B34_L12_P: U1.AA3
B34_L13_N: U1.AB4
B34_L13_P: U1.AA4
B34_L14_N: U1.AC3
B34_L14_P: U1.AC4
B34_L15_N: U1.AB5
B34_L15_P: U1.AA5
B34_L16_N: U1.AC6
B34_L16_P: U1.AB6
B34_L17_N: U1.Y5
B34_L17_P: U1.Y6
B34_L18_N: U1.AD5
B34_L18_P: U1.AD6
B34_L19_N: U1.AD3
B34_L19_P: U1.AD4
B34_L20_N: U1.AE1
B34_L20_P: U1.AD1
B34_L21_N: U1.AF4
B34_L21_P: U1.AF5
B34_L22_N: U1.AE2
B34_L22_P: U1.AE3
B34_L23_N: U1.AE5
B34_L23_P: U1.AE6
B34_L24_N: U1.AF2
B34_L24_P: U1.AF3
FGPA_I2C_SCL: R18.2 U1.A24 U4.19
FGPA_I2C_SDA: R17.2 U1.A23 U4.20
FPGA_CONFDONE: R10.2 U1.J7
FPGA_FLASH_HOLD/D3: R2.2 U1.A22
FPGA_FLASH_MISO/D1: R4.2 U1.A25
FPGA_FLASH_MOSI/D0: R5.2 U1.B24
FPGA_FLASH_SCK: A2.6 U1.C8
FPGA_FLASH_~{SS}: A2.1 R9.2 U1.C23
FPGA_FLASH_~{W}/D2: R3.2 U1.B22
FPGA_INIT/CRCERR: R8.2 U1.G7
FPGA_~{RESET}: R11.2 U1.P6
JTAG_TCK: J1.A3 J2.A3 J3.6 U1.L8
JTAG_TDI: J1.A7 J2.A7 J3.10 U1.R6
JTAG_TDO: J1.A6 J2.A6 J3.8 U1.R7
JTAG_TMS: J1.A2 J2.A2 J3.4 U1.N8
JTAG_TRST: J1.A10 J2.A10
MC_ALT_I2C_SCL: R28.2 U4.13
MC_ALT_I2C_SDA: R27.2 U4.12
PWR_FAIL: J1.B1 J2.B1
QSFP_A_IntL/~{RxLOS}: J4.28 R35.2 U1.K22
QSFP_A_LPMode/TxDis: J4.31 U1.L23
QSFP_A_RX1_N: J4.18 U1.R3
QSFP_A_RX1_P: J4.17 U1.R4
QSFP_A_RX2_N: J4.21 U1.N3
QSFP_A_RX2_P: J4.22 U1.N4
QSFP_A_RX3_N: J4.15 U1.L3
QSFP_A_RX3_P: J4.14 U1.L4
QSFP_A_RX4_N: J4.24 U1.J3
QSFP_A_RX4_P: J4.25 U1.J4
QSFP_A_SCL: J4.11 R22.2 U4.6
QSFP_A_SDA: J4.12 R21.2 U4.5
QSFP_A_TX1_N: J4.37 U1.P1
QSFP_A_TX1_P: J4.36 U1.P2
QSFP_A_TX2_N: J4.2 U1.M1
QSFP_A_TX2_P: J4.3 U1.M2
QSFP_A_TX3_N: J4.34 U1.K1
QSFP_A_TX3_P: J4.33 U1.K2
QSFP_A_TX4_N: J4.5 U1.H1
QSFP_A_TX4_P: J4.6 U1.H2
QSFP_A_~{ModPrs}: J4.27 R34.2 U1.L22
QSFP_A_~{ModSel}: J4.8 U1.J23
QSFP_A_~{Reset}: J4.9 R33.2 U1.K23
QSFP_B_IntL/~{RxLOS}: J5.28 R38.2 U1.J21
QSFP_B_LPMode/TxDis: J5.31 U1.J25
QSFP_B_RX1_N: J5.18 U1.G3
QSFP_B_RX1_P: J5.17 U1.G4
QSFP_B_RX2_N: J5.21 U1.E3
QSFP_B_RX2_P: J5.22 U1.E4
QSFP_B_RX3_N: J5.15 U1.C3
QSFP_B_RX3_P: J5.14 U1.C4
QSFP_B_RX4_N: J5.24 U1.B5
QSFP_B_RX4_P: J5.25 U1.B6
QSFP_B_SCL: J5.11 R24.2 U4.8
QSFP_B_SDA: J5.12 R23.2 U4.7
QSFP_B_TX1_N: J5.37 U1.F1
QSFP_B_TX1_P: J5.36 U1.F2
QSFP_B_TX2_N: J5.2 U1.D1
QSFP_B_TX2_P: J5.3 U1.D2
QSFP_B_TX3_N: J5.34 U1.B1
QSFP_B_TX3_P: J5.33 U1.B2
QSFP_B_TX4_N: J5.5 U1.A3
QSFP_B_TX4_P: J5.6 U1.A4
QSFP_B_~{ModPrs}: J5.27 R37.2 U1.H24
QSFP_B_~{ModSel}: J5.8 U1.J24
QSFP_B_~{Reset}: J5.9 R36.2 U1.H22
SEARAY_A_I2C_SCL: J1.A14 R16.2 U4.2
SEARAY_A_I2C_SDA: J1.A15 R15.2 U4.1
SEARAY_B_I2C_SCL: J2.A14 R20.2 U4.4
SEARAY_B_I2C_SDA: J2.A15 R19.2 U4.3
Net-(A2-DQ0): A2.5 R5.1 R12.2
Net-(A2-DQ1): A2.2 R4.1 R13.2
Net-(A2-DQ2/~{W}): A2.3 R3.1 R6.2
Net-(A2-DQ3/~{HOLD}): A2.7 R2.1 R7.2
Net-(J3-Pin_12): J3.12 R39.1
Net-(U1J-MGTRREF_115): R1.1 U1.M6
Net-(U4-~{RESET}): R14.2 U4.24

Pads without a net: J1 A18 A19 A22 A23 A26 A27 A30 A31 A34 A35 A38 A39 B4 B5 B8 B9 B12 B13 B16 B17 B20 B21 B24 B25 B28 B29 B32 B33 B36 B37 C2 C3 C6 C7 C10 C11 C14 C15 C18 C19 C22 C23 C26 C27 C30 C31 C34 C35 C38 C39 D4 D5 D8 D9 D12 D13 D16 D17 D20 D21 D24 D25 D28 D29 D32 D33 D36 D37 E2 E3 E6 E7 E10 E11 E14 E15 E18 E19 E22 E23 E26 E27 E30 E31 E34 E35 E38 E39 F4 F5 F8 F9 F12 F13 F16 F17 F20 F21 F24 F25 F28 F29 F32 F33 F36 F37 G2 G3 G6 G7 G10 G11 G14 G15 G18 G19 G22 G23 G26 G27 G30 G31 G34 G35 G38 G39 H4 H5 H8 H9 H12 H13 H16 H17 H20 H21 H24 H25 H28 H29 H32 H33 H36 H37 J2 J3 J6 J7 J10 J11 J14 J15 J18 J19 J22 J23 J26 J27 J30 J31 J34 J35 J38 J39; J2 A18 A19 A22 A23 A26 A27 A30 A31 A34 A35 A38 A39 B24 B25 B28 B29 B32 B33 B36 B37; J3 14; R29 2; R30 2; R31 2; R32 2; U1 A20 AA22 AA23 AA24 AA25 AB21 AB22 AB24 AB25 AB26 AC21 AC22 AC23 AC24 AC26 AD21 AD23 AD24 AD25 AD26 AE21 AE22 AE23 AE25 AE26 AF22 AF23 AF24 AF25 B20 B21 B25 B26 C21 C22 C24 C26 D5 D6 D21 D23 D24 D25 D26 E21 E22 E23 E25 E26 F5 F6 F22 F23 F24 F25 G21 G22 G24 G25 G26 H21 H23 H26 J26 K5 K6 K21 N12 P11 R11 R12 U21 U22 U24 U25 U26 V21 V22 V23 V24 V26 W20 W21 W23 W24 W25 W26 Y20 Y21 Y22 Y23 Y25 Y26; U2 1 2; U3 2; U4 14 15 16 17

## Routing (per net, layer and track width the routed paths; a pad name or vN(x,y) marks a point on that pad's centre or on a via; arc(x,y) is an arc through that point)
GND: length 23.9
  Top w0.25: 48.35,62.8 48.35,63.18 48.38,63.21 ; 48.35,62.8 48.35,62.4 48.4,62.35 ; 48.35,62.8 46.87,62.8 ; 46.87,39.99 48.35,39.99 ; 48.35,39.99 48.35,40.37 48.38,40.4 ; 48.35,39.99 48.35,39.59 48.4,39.54 ; 48.38,70.43 48.35,70.4 48.35,70.02 ; J4.26 48.34,32.8 ; 48.34,32.8 48.34,32.4 48.4,32.35 ; 48.34,32.8 48.34,33.18 48.37,33.21 ; 48.35,70.02 48.35,69.62 48.4,69.56 ; 48.35,70.02 46.87,70.02
  In1.Cu w3: J5.G11 J5.G12 ; J4.G12 J4.G11

## Copper pours and planes (outline as drawn; the poured copper is in the pictures)
GND on Top, Bottom, In1.Cu, In2.Cu, In3.Cu, In4.Cu, In5.Cu, In6.Cu, In7.Cu, In8.Cu: 0.47,99.53 0.47,0.47 149.69,0.47 149.69,99.53
